# Altium PCB HOUZZkitF1_Tester.PcbDoc (part 2 of 2) (continued)
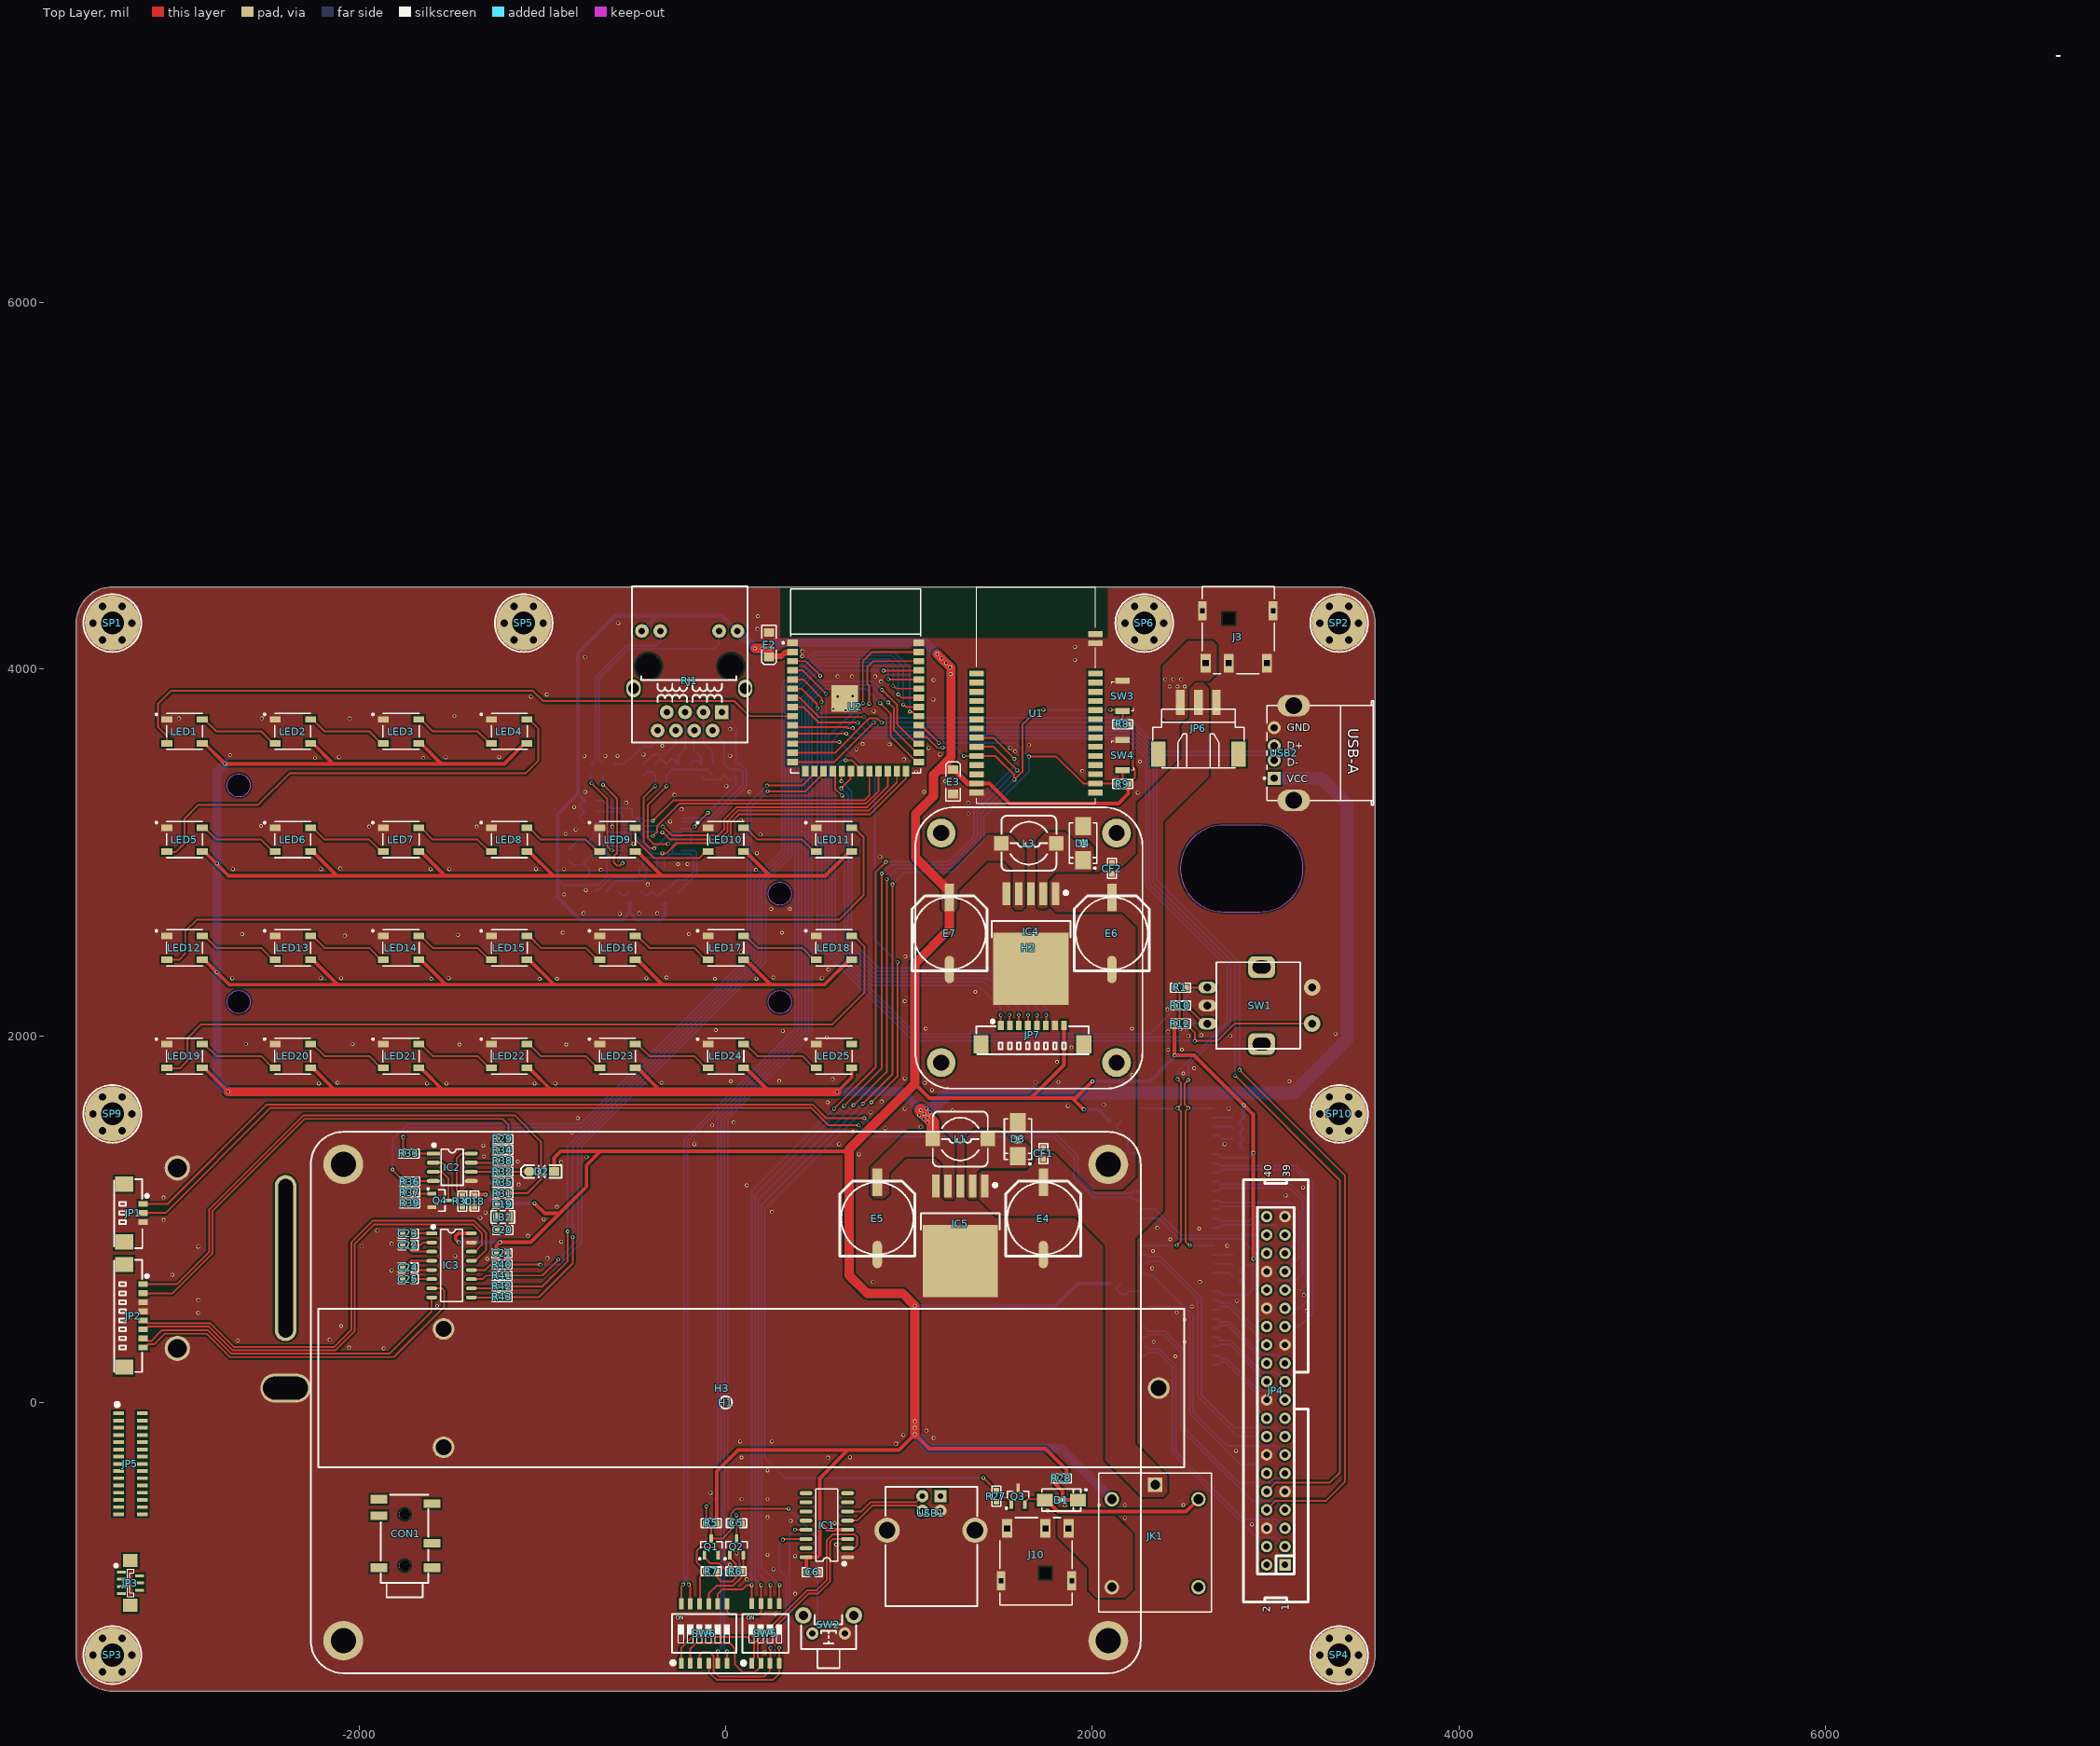
[diagram p0: Top Layer view]
## Nets (pads, with @x,y where several pads share a name; then routed paths per layer and width w, separated by ;. In a path a pad name is that pad's centre, name@x,y a point inside that pad or via, vN(x,y) a via of type N, cw(c..) or ccw(c..) an arc to the next point about the centre after c; other vN are vias at no path point) (continued)
  Top Layer w10: IC2.3@-1595.47,1258.47 -1548.27,1258.47 ; IC2.2@-1595.47,1308.47 -1548.62,1308.47 -1535.43,1295.28 -1535.43,1271.3 -1548.27,1258.47 ; R30.1@-1437.01,1067.83 -1471.53,1102.36 Q4.3@-1514.05,1102.36 -1514.05,1224.25 -1548.27,1258.47
NetIC2_4: IC2.4 R36.1 | length 99.9
  Top Layer w10: R36.1@-1693.82,1204.72 -1690.08,1208.47 IC2.4@-1595.47,1208.47
NetIC2_6: IC2.6 R31.2 R32.1 R35.2 | length 308.2
  Top Layer w10: IC2.6@-1388.78,1258.47 R32.1@-1248.5,1258.47 ; R31.2@-1247.12,1141.73 -1271.65,1166.26 -1271.65,1176.26 R35.2@-1247.12,1200.79 -1264.99,1218.65 -1265.89,1218.65 -1272.96,1225.72 -1272.96,1234 R32.1@-1248.5,1258.47 ; R32.1@-1241.76,1254.48 R32.1@-1247.12,1259.84 R32.1@-1248.5,1258.47
NetIC2_7: IC2.7 R29.2 R34.2 R38.2 | length 289.7
  Top Layer w10: IC2.7@-1388.78,1308.47 -1387.4,1307.09 R38.2@-1258.94,1307.09 ; R38.2@-1247.12,1318.9 -1270.75,1342.52 -1271.65,1342.52 -1271.65,1353.43 R34.2@-1247.12,1377.95 -1271.65,1402.48 -1271.65,1412.48 R29.2@-1247.12,1437.01
NetIC3_9: IC3.9 R43.2 | length 137.4
  Top Layer w10: IC3.9@-1387.72,573.03 -1252.83,573.03 R43.2@-1251.06,574.8
NetIC3_10: IC3.10 R42.2 | length 141.1
  Top Layer w10: IC3.10@-1387.72,623.03 -1261.89,623.03 R42.2@-1251.06,633.86
NetIC3_11: IC3.11 R41.2 | length 144.9
  Top Layer w10: IC3.11@-1387.72,673.03 -1326.97,673.03 -1307.09,692.91 R41.2@-1251.06,692.91
NetIC3_12: IC3.12 R40.2 | length 148.6
  Top Layer w10: IC3.12@-1387.72,723.03 -1312.4,723.03 -1283.47,751.97 R40.2@-1251.06,751.97
NetJ10_1: J10.1 JK1.3
NetLED1_2: LED1.2 LED2.4 | length 451.5
  Top Layer w10: LED1.2@-2856.3,3726.38 -2844.49,3726.38 -2779.53,3661.42 -2535.43,3661.42 -2470.47,3596.46 LED2.4@-2458.66,3596.46
NetLED2_2: LED2.2 LED3.4 | length 451.5
  Top Layer w10: LED2.2@-2265.75,3726.38 -2253.94,3726.38 -2188.98,3661.42 -1944.88,3661.42 -1879.92,3596.46 LED3.4@-1868.11,3596.46
NetLED3_2: LED3.2 LED4.4 | length 451.5
  Top Layer w10: LED3.2@-1675.2,3726.38 -1663.38,3726.38 -1598.42,3661.42 -1354.33,3661.42 -1289.37,3596.46 LED4.4@-1277.56,3596.46
NetLED4_2: LED4.2 LED5.4 | length 2568.9
  Top Layer w10: LED5.4@-3049.21,3005.91 -3047.24,3003.94 -3000,3003.94 -2952.76,3051.18 -2952.76,3185.04 -2877.95,3259.84 -2551.18,3259.84 -2377.95,3433.07 -1090.55,3433.07 -1023.62,3500 -1023.62,3677.17 -1072.83,3726.38 LED4.2@-1084.65,3726.38
NetLED5_2: LED5.2 LED6.4 | length 451.5
  Top Layer w10: LED5.2@-2856.3,3135.83 -2844.49,3135.83 -2779.53,3070.87 -2535.43,3070.87 -2470.47,3005.9 LED6.4@-2458.66,3005.91
NetLED6_2: LED6.2 LED7.4 | length 451.5
  Top Layer w10: LED6.2@-2265.75,3135.83 -2253.94,3135.83 -2188.98,3070.87 -1944.88,3070.87 -1879.92,3005.9 LED7.4@-1868.11,3005.91
NetLED7_2: LED7.2 LED8.4 | length 451.5
  Top Layer w10: LED7.2@-1675.2,3135.83 -1663.38,3135.83 -1598.42,3070.87 -1354.33,3070.87 -1289.37,3005.9 LED8.4@-1277.56,3005.91
NetLED8_2: LED8.2 LED9.4 | length 451.5
  Top Layer w10: LED8.2@-1084.65,3135.83 -1072.83,3135.83 -1007.87,3070.87 -763.78,3070.87 -698.82,3005.9 LED9.4@-687.01,3005.91
NetLED9_2: LED9.2 LED10.4 | length 517.2
  Top Layer w10: LED9.2@-494.09,3135.83 -494.09,3072.83 -392.32,2971.06 -143.11,2971.06 -108.27,3005.91 LED10.4@-96.46,3005.91
NetLED10_2: LED10.2 LED11.4 | length 451.5
  Top Layer w10: LED10.2@96.46,3135.83 108.27,3135.83 173.23,3070.87 417.32,3070.87 482.28,3005.9 LED11.4@494.09,3005.91
NetLED11_2: LED11.2 LED12.4 | length 4420.6
  Top Layer w10: LED12.4@-3049.21,2415.35 -2982.28,2415.35 -2948.82,2448.82 -2948.82,2570.87 -2885.83,2633.86 618.11,2633.86 751.97,2767.72 751.97,3082.68 698.82,3135.83 LED11.2@687.01,3135.83
NetLED12_2: LED12.2 LED13.4 | length 451.5
  Top Layer w10: LED12.2@-2856.3,2545.28 -2844.49,2545.28 -2779.53,2480.32 -2535.43,2480.32 -2470.47,2415.35 LED13.4@-2458.66,2415.35
NetLED13_2: LED13.2 LED14.4 | length 451.5
  Top Layer w10: LED13.2@-2265.75,2545.28 -2253.94,2545.28 -2188.98,2480.32 -1944.88,2480.32 -1879.92,2415.35 LED14.4@-1868.11,2415.35
NetLED14_2: LED14.2 LED15.4 | length 451.5
  Top Layer w10: LED14.2@-1675.2,2545.28 -1663.38,2545.28 -1598.42,2480.32 -1354.33,2480.32 -1289.37,2415.35 LED15.4@-1277.56,2415.35
NetLED15_2: LED15.2 LED16.4 | length 451.5
  Top Layer w10: LED15.2@-1084.65,2545.28 -1072.83,2545.28 -1007.87,2480.32 -763.78,2480.32 -698.82,2415.35 LED16.4@-687.01,2415.35
NetLED16_2: LED16.2 LED17.4 | length 451.5
  Top Layer w10: LED16.2@-494.09,2545.28 -482.28,2545.28 -417.32,2480.32 -173.23,2480.32 -108.27,2415.35 LED17.4@-96.46,2415.35
NetLED17_2: LED17.2 LED18.4 | length 451.5
  Top Layer w10: LED17.2@96.46,2545.28 108.27,2545.28 173.23,2480.32 417.32,2480.32 482.28,2415.35 LED18.4@494.09,2415.35
NetLED18_2: LED18.2 LED19.4 | length 4393.2
  Top Layer w10: LED19.4@-3049.21,1824.8 -3047.24,1822.83 -2980.32,1822.83 -2937.01,1866.14 -2937.01,1988.19 -2862.2,2062.99 582.68,2062.99 755.91,2236.22 755.91,2488.19 698.82,2545.28 LED18.2@687.01,2545.28
NetLED19_2: LED19.2 LED20.4 | length 451.5
  Top Layer w10: LED19.2@-2856.3,1954.72 -2844.49,1954.72 -2779.53,1889.76 -2535.43,1889.76 -2470.47,1824.8 LED20.4@-2458.66,1824.8
NetLED20_2: LED20.2 LED21.4 | length 451.5
  Top Layer w10: LED20.2@-2265.75,1954.72 -2253.94,1954.72 -2188.98,1889.76 -1944.88,1889.76 -1879.92,1824.8 LED21.4@-1868.11,1824.8
NetLED21_2: LED21.2 LED22.4 | length 451.5
  Top Layer w10: LED21.2@-1675.2,1954.72 -1663.38,1954.72 -1598.42,1889.76 -1354.33,1889.76 -1289.37,1824.8 LED22.4@-1277.56,1824.8
NetLED22_2: LED22.2 LED23.4 | length 451.5
  Top Layer w10: LED22.2@-1084.65,1954.72 -1072.83,1954.72 -1007.87,1889.76 -763.78,1889.76 -698.82,1824.8 LED23.4@-687.01,1824.8
NetLED23_2: LED23.2 LED24.4 | length 451.5
  Top Layer w10: LED23.2@-494.09,1954.72 -482.28,1954.72 -417.32,1889.76 -173.23,1889.76 -108.27,1824.8 LED24.4@-96.46,1824.8
NetLED24_2: LED24.2 LED25.4 | length 451.5
  Top Layer w10: LED24.2@96.46,1954.72 108.27,1954.72 173.23,1889.76 417.32,1889.76 482.28,1824.8 LED25.4@494.09,1824.8
NetLED26_1: LED26.1 R14.1 | length 82
  Bottom Layer w10: LED26.1@-589.45,2790.81 -566.35,2767.72 -545.73,2767.72 R14.1@-525.42,2788.03
NetQ1_1: Q1.1 R6.2 | length 185.5
  Top Layer w10: Q1.1@-116.14,-832.4 -116.14,-846.18 -84.37,-877.95 -35.43,-877.95 0.59,-913.98 17.25,-913.98 R6.2@24.53,-921.26
NetQ2_1: Q2.1 R7.2 | length 290.3
  Top Layer w10: R7.2@-48.15,-921.26 -48.15,-951.85 -23.62,-976.38 35.43,-976.38 55.12,-956.69 55.12,-879.65 21.65,-846.18 Q2.1@21.65,-832.4
NetQ3_1: Q3.1 R27.1 | length 113.6
  Top Layer w10: R27.1@1476.38,-542.4 1499.1,-519.68 1533.74,-519.68 1557.09,-543.03 Q3.1@1557.09,-556.81
NetQ4_1: Q4.1 R37.1 R39.2 | length 171.9
  Top Layer w10: R39.2@-1693.82,1086.61 -1718.75,1111.55 -1718.75,1120.74 R37.1@-1693.82,1145.67 -1687.91,1139.76 Q4.1@-1604.05,1139.76
NetR18_2: R18.2 U5.10 | length 342.7
  Bottom Layer w10: R18.2@-255.38,2785.25 -157.48,2883.15 -157.48,2996.06 -172.89,3011.47 U5.10@-242.48,3011.47
NetR22_1: R22.1 RJ1.10 | length 1279.3
  Bottom Layer w10: R22.1@-669.29,3483.35 -692.91,3506.97 -692.91,3948.82 -531.5,4110.24 -66.93,4110.24 -36.02,4141.14 RJ1.10@-36.02,4208.66
NetR25_1: R25.1 RJ1.11 | length 973.8
  Bottom Layer w10: R25.1@-732.28,3483.35 -710.91,3504.72 -710.91,3956.27 -537.27,4129.92 -377.95,4129.92 -357.67,4150.2 RJ1.11@-357.67,4208.66
NetR45_1: R45.1 U6.16 | length 105.5
  Bottom Layer w10: U6.16@2659.45,806.5 2764.09,806.5 R45.1@2764.68,807.09
NetR46_1: R46.1 U6.17 | length 108.7
  Bottom Layer w10: U6.17@2659.45,756.5 2756.22,756.5 R46.1@2764.68,748.03
NetR47_1: R47.1 U6.18 | length 112.5
  Bottom Layer w10: U6.18@2659.45,706.5 2747.16,706.5 R47.1@2764.68,688.98
NetR49_1: R49.1 U7.16 | length 105.5
  Bottom Layer w10: U7.16@2659.45,1554.53 2764.09,1554.53 R49.1@2764.68,1555.12
NetR50_1: R50.1 U7.17 | length 108.7
  Bottom Layer w10: U7.17@2659.45,1504.53 2756.22,1504.53 R50.1@2764.68,1496.06
NetR51_1: R51.1 U7.18 | length 112.5
  Bottom Layer w10: U7.18@2659.45,1454.53 2691.44,1454.53 2708.96,1437.01 R51.1@2764.68,1437.01
RSTN: R17.1 U2.22 U5.37 | length 1754.6
  Top Layer w10: v1(-397.64,3173.23) -284.84,3286.02 758.46,3286.02 783.66,3311.22 U2.22@783.66,3444.88
  Bottom Layer w10: R17.1@-710.34,3284.24 -670.06,3284.24 -626.65,3240.82 U5.37@-511.19,3240.82 -511,3240.63 -511,3199.98 -496.06,3185.04 -452.76,3185.04 -440.94,3173.23 v1(-397.64,3173.23)
RTS: IC1.14 SW5.3 SW6.3 | length 1456.7
  Top Layer w10: SW6.3@-143.11,-1423.23 -143.11,-1379.33 -125.98,-1362.2 -86.61,-1362.2 -67.1,-1381.71 -67.1,-1464.39 -37.12,-1494.38 210.35,-1494.38 241.54,-1463.19 SW5.3@241.54,-1423.23 242.82,-1421.95 242.82,-1339.86 v1(244.09,-1338.58) ; v1(311.02,-748.03) 313.73,-748.03 317.47,-744.29 IC1.14@437.91,-744.29
  Bottom Layer w10: v1(244.09,-1338.58) 244.09,-1279.53 330.71,-1192.91 330.71,-952.76 291.34,-913.39 291.34,-767.72 v1(311.02,-748.03)
RX_DEBUG: JP4.10 U2.8 | length 6850.1
  Top Layer w10: U2.8@364.17,3794.09 422.44,3794.09 507.87,3708.66 v1(720.47,3708.66) ; v1(2779.53,1783.46) 3350.39,1212.6 3350.39,-381.89 3295.28,-437.01 3000,-437.01 JP4.10@2951.18,-485.83
  Bottom Layer w10: v1(720.47,3708.66) 767.72,3661.42 2195.29,3661.42 2332.39,3524.31 2332.39,2836.9 2778.15,2391.14 2778.15,1804.61 2779.53,1803.23 v1(2779.53,1783.46)
RXN: C14.2 R24.2 U5.5 | length 725.6
  Top Layer w10: v1(-389.73,3022.24) -391.14,3023.66 -413.42,3023.66 -448.82,3059.06 -448.82,3299.21 v1(-385.83,3362.2)
  Bottom Layer w10: C14.2@-448.82,3422.17 -430.04,3440.94 -404.61,3440.94 R24.2@-385.83,3422.17 v1(-385.83,3362.2) ; v1(-389.73,3022.24) -388.44,3022.24 -300.78,3109.9 U5.5@-242.48,3109.9
RXP: C13.2 R23.2 U5.6 | length 879.1
  Top Layer w10: v1(-322.83,3362.2) -425.2,3259.84 -425.2,3078.74 -393.7,3047.24 v1@-315.09,3047.24
  Bottom Layer w10: v1(-322.83,3362.2) R23.2@-322.83,3422.17 -292.24,3452.76 -101.46,3452.76 C13.2@-70.87,3422.17 ; v1(-315.06,3047.28) -314.93,3047.28 -288.91,3073.29 -288.91,3077.36 -276.25,3090.02 -242.67,3090.02 U5.6@-242.48,3090.21
SPI_CLK: U2.23 U5.33 | length 1642.5
  Top Layer w10: v1(-397.64,3090.55) -374.02,3114.17 -374.02,3145.67 -251.97,3267.72 765.88,3267.72 833.66,3335.49 U2.23@833.66,3444.88
  Bottom Layer w10: U5.33@-563.37,3129.58 -487.85,3129.58 -448.82,3090.55 v1(-397.64,3090.55)
SPI_CS: R15.1 U2.26 U5.32 | length 2006.6
  Top Layer w10: v1(-346.43,2996.16) -346.33,2996.06 -322.83,2996.06 -267.72,3051.18 -27.56,3051.18 27.56,3106.3 27.56,3165.35 70.87,3208.66 787.4,3208.66 983.66,3404.92 U2.26@983.66,3444.88
  Bottom Layer w10: R15.1@-710.34,3161.75 -685.37,3161.75 -633.52,3109.9 U5.32@-563.37,3109.9 -512.73,3109.9 -398.9,2996.06 -346.52,2996.06 v1(-346.43,2996.16)
SPI_INT: R16.1 U5.36 | length 170.8
  Bottom Layer w10: R16.1@-710.34,3222.99 -640.8,3222.99 -640.63,3222.82 -581.09,3222.82 -563.37,3205.11 U5.36@-563.37,3188.64
SPI_MISO: U2.25 U5.34 | length 1754.3
  Top Layer w10: v1(-346.42,3110.28) -343.71,3110.28 -304.3,3070.87 -35.43,3070.87 9.56,3115.86 9.56,3172.81 65.1,3228.35 779.53,3228.35 933.66,3382.48 U2.25@933.66,3444.88
  Bottom Layer w10: U5.34@-563.37,3149.27 -563.18,3149.08 -517.96,3149.08 -516.47,3147.58 -474.36,3147.58 -442.32,3115.55 -387.28,3115.55 -382.01,3110.28 v1(-346.42,3110.28)
SPI_MOSI: U2.24 U5.35 | length 1704.8
  Top Layer w10: v1(-342.56,3141.77) -295.28,3094.49 -39.37,3094.49 -8.44,3125.42 -8.44,3180.27 59.32,3248.03 771.65,3248.03 883.66,3360.04 U2.24@883.66,3444.88
  Bottom Layer w10: U5.35@-563.37,3168.95 -512.38,3168.95 -510.47,3167.04 -466.25,3167.04 -444.88,3145.67 -372.56,3145.67 -368.66,3141.77 v1(-342.56,3141.77)
TX_DEBUG: JP4.8 U2.7 | length 7004.1
  Top Layer w10: U2.7@364.17,3844.09 403.94,3844.09 508.96,3739.07 v1(753.06,3739.07) ; v1(2803.15,1814.96) 3377.95,1240.16 3377.95,-433.07 3275.59,-535.43 3001.58,-535.43 JP4.8@2951.18,-585.83
  Bottom Layer w10: v1(753.06,3739.07) 775.85,3716.27 775.85,3704.54 799.29,3681.1 2201.06,3681.1 2350.39,3531.77 2350.39,2854.33 2804.53,2400.2 2804.53,1816.34 v1(2803.15,1814.96)
TXN: R20.1 RJ1.2 U5.1 | length 809.5
  Bottom Layer w10: U5.1@-242.48,3188.64 -86.95,3188.64 94.49,3370.08 94.49,3437.01 78.74,3452.76 22.72,3452.76 R20.1@-7.87,3483.35 -7.87,3601.77 RJ1.2@-71.85,3665.75
TXP: R19.1 RJ1.1 U5.2 | length 911
  Bottom Layer w10: U5.2@-242.48,3168.95 -79.08,3168.95 114.17,3362.2 114.17,3448.82 79.65,3483.35 R19.1@55.12,3483.35 55.12,3688.78 RJ1.1@-21.85,3765.75
U6_GP0.0: JP4.28 U6.21 | length 350.7
  Bottom Layer w10: U6.21@2659.45,556.5 2688.46,556.5 2701.65,543.31 2751.97,543.31 2881.1,414.17 JP4.28@2951.18,414.17
U6_GP0.1: JP4.26 U6.22 | length 385.6
  Bottom Layer w10: U6.22@2659.45,506.5 2688.46,506.5 2705.58,523.62 2741.73,523.62 JP4.26@2951.18,314.17
U6_GP0.2: JP4.23 U6.23 | length 492.5
  Bottom Layer w10: U6.23@2659.45,456.5 2686.81,456.5 2695.79,447.52 2695.79,446.8 2701.65,440.94 2744.09,440.94 2924.6,260.44 3004.91,260.44 JP4.23@3051.18,214.17
U6_GP0.3: JP4.24 U6.24 | length 383.6
  Bottom Layer w10: U6.24@2659.45,406.5 2686.88,406.5 2701.65,421.26 2738.32,421.26 2945.41,214.17 JP4.24@2951.18,214.17
U6_GP0.4: JP4.21 U6.25 | length 494.7
  Bottom Layer w10: U6.25@2659.45,356.5 2686.81,356.5 2692.19,351.11 2692.19,346.68 2700.29,338.58 2751.97,338.58 2925.2,165.35 3000,165.35 JP4.21@3051.18,114.17
U6_GP0.5: JP4.22 U6.26 | length 381.7
  Bottom Layer w10: U6.26@2659.45,306.5 2689.65,306.5 2702.06,318.9 2746.2,318.9 2917.74,147.35 2918,147.35 JP4.22@2951.18,114.17
U6_GP0.6: JP4.19 U6.27 | length 492.1
  Bottom Layer w10: U6.27@2659.45,256.5 2686.81,256.5 2703.15,240.16 2732.28,240.16 2909.45,62.99 3002.36,62.99 JP4.19@3051.18,14.17
U6_GP0.7: JP4.18 U6.28 | length 472.2
  Bottom Layer w10: U6.28@2659.45,206.5 2687.67,206.5 2701.65,220.47 2726.51,220.47 2897.64,49.35 2897.64,-32.28 JP4.18@2951.18,-85.83
U6_GP1.0: JP4.3 U6.2 | length 1508.3
  Bottom Layer w10: U6.2@2261.81,256.5 2289.17,256.5 2298.15,265.48 2298.15,265.8 2304.01,271.65 2358.27,271.65 2437.01,192.91 2437.01,-275.59 2897.64,-736.22 3001.57,-736.22 JP4.3@3051.18,-785.83
U6_GP1.1: JP4.5 U6.3 | length 1475
  Bottom Layer w10: U6.3@2261.81,306.5 2289.17,306.5 2298.15,297.52 2298.15,297.2 2304.01,291.34 2364.04,291.34 2455.01,200.37 2455.01,-268.14 2824.67,-637.8 3003.15,-637.8 JP4.5@3051.18,-685.83
U6_GP1.2: JP4.7 U6.4 | length 1438.9
  Bottom Layer w10: U6.4@2261.81,356.5 2290.42,356.5 2304.01,370.08 2387.93,370.08 2484.25,273.76 2484.25,-149.61 2870.08,-535.43 3000.79,-535.43 JP4.7@3051.18,-585.83
U6_GP1.3: JP4.11 U6.5 | length 1408
  Bottom Layer w10: U6.5@2261.81,406.5 2289.17,406.5 2305.9,389.76 2393.7,389.76 2503.94,279.53 2503.94,-143.84 2797.11,-437.01 3000,-437.01 JP4.11@3051.18,-385.83
U6_GP1.4: JP4.12 U6.7 | length 1381.1
  Bottom Layer w10: U6.7@2261.81,506.5 2289.17,506.5 2306.3,523.62 2474.54,523.62 2531.5,466.67 2531.5,-59.06 2811.02,-338.58 2903.94,-338.58 JP4.12@2951.18,-385.83
U6_GP1.5: JP4.13 U6.11 | length 1508.4
  Bottom Layer w10: U6.11@2261.81,706.5 2290.42,706.5 2304.01,692.91 2330.71,692.91 2549.5,474.13 2549.5,-51.6 2734.12,-236.22 3001.58,-236.22 JP4.13@3051.18,-285.83
U6_GP1.6: JP4.16 U6.12 | length 1403.8
  Bottom Layer w10: U6.12@2261.81,756.5 2289.17,756.5 2298.15,765.48 2298.15,765.8 2304.01,771.65 2370.08,771.65 2574.8,566.93 2574.8,35.43 2796.06,-185.83 JP4.16@2951.18,-185.83
U6_GP1.7: JP4.15 U6.13 | length 1511.7
  Bottom Layer w10: U6.13@2261.81,806.5 2292.79,806.5 2304.01,795.28 2371.91,795.28 2594.49,572.7 2594.49,41.2 2773.49,-137.8 3003.15,-137.8 JP4.15@3051.18,-185.83
U7_GP0.0: JP4.27 U7.21 | length 1477.2
  Bottom Layer w10: U7.21@2659.45,1304.53 2688.46,1304.53 2701.65,1291.34 3110.24,1291.34 3200.79,1200.79 3200.79,488.19 3126.77,414.17 JP4.27@3051.18,414.17
U7_GP0.1: JP4.29 U7.22 | length 1344.1
  Bottom Layer w10: U7.22@2659.45,1254.53 2688.46,1254.53 2705.58,1271.65 3104.47,1271.65 3182.79,1193.33 3182.79,564.68 3132.28,514.17 JP4.29@3051.18,514.17
U7_GP0.2: JP4.31 U7.23 | length 1136.7
  Bottom Layer w10: U7.23@2659.45,1204.53 2686.81,1204.53 2695.79,1195.55 2695.79,1194.83 2701.65,1188.98 3082.68,1188.98 3164.79,1106.87 3164.79,641.17 3137.8,614.17 JP4.31@3051.18,614.17
U7_GP0.3: JP4.32 U7.24 | length 1150.7
  Bottom Layer w10: U7.24@2659.45,1154.53 2686.88,1154.53 2702.99,1170.63 3075.56,1170.63 3146.79,1099.41 3146.79,705.84 3106.3,665.35 3002.36,665.35 JP4.32@2951.18,614.17
U7_GP0.4: JP4.33 U7.25 | length 856.6
  Bottom Layer w10: U7.25@2659.45,1104.53 2687.67,1104.53 2701.65,1090.55 3082.68,1090.55 3128.79,1044.44 3128.79,791.78 JP4.33@3051.18,714.17
U7_GP0.5: JP4.35 U7.26 | length 719.6
  Bottom Layer w10: U7.26@2659.45,1054.53 2689.24,1054.53 2705.58,1070.87 3076.91,1070.87 3110.79,1036.99 3110.79,873.78 JP4.35@3051.18,814.17
U7_GP0.6: JP4.40 U7.27 | length 310.6
  Bottom Layer w10: U7.27@2659.45,1004.53 2689.24,1004.53 2705.58,988.19 2854.33,988.19 2881.89,1015.75 2949.61,1015.75 JP4.40@2951.18,1014.17
U7_GP0.7: JP4.37 U7.28 | length 420
  Bottom Layer w10: U7.28@2659.45,954.53 2693.11,954.53 2707.09,968.5 2996.85,968.5 JP4.37@3051.18,914.17
U7_GP1.0: JP4.36 U7.2 | length 770.8
  Bottom Layer w10: U7.2@2261.81,1004.53 2361.61,1004.53 2472.44,893.7 2811.02,893.7 2893.7,811.02 2948.03,811.02 JP4.36@2951.18,814.17
U7_GP1.1: JP4.38 U7.3 | length 747.5
  Bottom Layer w10: U7.3@2261.81,1054.53 2343.11,1054.53 2483.47,914.17 JP4.38@2951.18,914.17
U7_GP1.2: JP1.2 U7.4 | length 5951.4
  Top Layer w10: JP1.2@-3178.72,1033.89 -3056.66,1033.89 -2482.57,1607.98 464.99,1607.98 561.16,1511.81 v1(724.41,1511.81)
  Bottom Layer w10: v1(724.41,1511.81) 787.4,1448.82 1787.4,1448.82 1901.57,1334.65 1901.57,1224.41 2007.87,1118.11 2219.61,1118.11 2233.2,1104.53 U7.4@2261.81,1104.53
U7_GP1.3: JP1.1 U7.5 | length 5935.9
  Top Layer w10: JP1.1@-3178.72,1083.1 -3046.82,1083.1 -2503.94,1625.98 472.44,1625.98 547.24,1551.18 v1(755.91,1551.18)
  Bottom Layer w10: v1(755.91,1551.18) 838.58,1468.5 1799.21,1468.5 1921.26,1346.46 1921.26,1236.22 2015.75,1141.73 2215.68,1141.73 2228.47,1154.53 U7.5@2261.81,1154.53
U7_GP1.4: U7.7
U7_GP1.5: U7.11
U7_GP1.6: U7.12
U7_GP1.7: U7.13
UART_RX: IC1.3 SW5.2 SW6.2 | length 1590.8
  Top Layer w10: SW6.2@-193.11,-1423.23 -193.11,-1342.72 -161.42,-1311.02 19.69,-1311.02 51.18,-1342.52 51.18,-1429.13 94.49,-1472.44 159.06,-1472.44 191.54,-1439.96 191.54,-1406.5 175.91,-1390.87 175.91,-1318.05 450.65,-1043.31 501.83,-1043.31 569.18,-975.96 569.18,-759.42 584.31,-744.29 IC1.3@664.45,-744.29
UART_TX: IC1.2 SW5.1 SW6.1 | length 1680.7
  Top Layer w10: SW6.1@-243.11,-1423.23 -243.11,-1337.6 -185.04,-1279.53 118.11,-1279.53 153.54,-1314.96 ; SW5.1@141.54,-1423.23 141.54,-1406.5 153.54,-1394.49 153.54,-1314.96 ; IC1.2@664.45,-794.29 666.35,-792.39 703.67,-792.39 716.54,-779.53 716.54,-732.28 704.72,-720.47 582.68,-720.47 551.18,-751.97 551.18,-968.5 496.06,-1023.62 444.88,-1023.62 153.54,-1314.96
USB_DN: U2.13 USB2.2 | length 2801.6
  Top Layer w10: U2.13@364.17,3544.09 595.08,3544.09 784.65,3733.66 825.39,3733.66 v1(850.39,3708.66)
  Bottom Layer w10: v1(850.39,3708.66) 2198.95,3708.66 2376.12,3531.5 2956.65,3531.5 2984.2,3503.94 USB2.2@2992.13,3503.94
USB_DP: U2.14 USB2.3 | length 2819.3
  Top Layer w10: U2.14@364.17,3494.09 592.52,3494.09 v1(807.09,3708.66)
  Bottom Layer w10: v1(807.09,3708.66) 834.65,3736.22 2196.85,3736.22 2383.57,3549.5 2953.98,3549.5 2987.17,3582.68 USB2.3@2992.13,3582.68
pads on no net: CON1.0 CON1.1 CON1.2 CON1.3 CON1.4 CON1.5 CON1.6 H2.1 H2.2 H2.3 H2.4 H4.12 IC1.7 IC1.8 IC1.9 IC1.10 IC1.11 IC1.12 IC1.15 J3.MH J10.MH JK1.4 JP1.0 JP2.0 JP3.1 JP3.2 JP3.3 JP3.4 JP3.5 JP3.6 JP3.7 JP3.8 JP3.9 JP4.1 JP4.2 JP4.4 JP4.17 JP5.1 JP5.2 JP5.3 JP5.4 JP5.5 JP5.6 JP5.7 JP5.8 JP5.9 JP5.10 JP5.11 JP5.12 JP5.13 JP5.14 JP5.15 JP6.0 JP7.0 LED25.2 RJ1.0 RJ1.7 SW1.0 SW2.0 U1.1 U1.2 U1.3 U1.4 U1.5 U1.6 U1.7 U1.11 U1.12 U1.15 U1.17 U1.18 U1.19 U1.20 U1.21 U1.22 U1.23 U1.24 U1.25 U1.26 U1.27 U1.28 U1.30 U2.15 U5.7 U5.12 U5.13 U5.18 U5.23 U5.24 U5.26 U5.38 U5.39 U5.40 U5.41 U5.42 U5.43 U5.44 U5.45 U5.46 U5.47 U6.6 U7.6 USB1.1

## Polygon pours and split planes (outlines as drawn)
GND on Top Layer "GND_L01_P023" (solid, remove dead copper, pour order 23): -3543.31,-1377.95 -3543.31,4251.97 cw(c-3346.46,4251.97) -3346.46,4448.82 3346.46,4448.82 cw(c3346.46,4251.97) 3543.31,4251.97 3543.31,-1377.95 cw(c3346.46,-1377.95) 3346.46,-1574.8 -3346.46,-1574.8 cw(c-3346.46,-1377.95)
DC_IN on Top Layer "DC_IN_L01_P000" (solid, pour order 0): 2677.17,4133.86 2677.17,3976.38 2637.8,3937.01 2559.06,3937.01 2519.69,3897.64 2519.69,3740.16 2500,3720.47 2401.57,3720.47 2381.89,3740.16 2381.89,4015.75 2519.69,4153.54 2657.48,4153.54
NetJ10_1 on Top Layer "NETJ10_1_L01_P003" (solid, pour order 3): 1834.65,-618.11 2122.05,-618.11 2220.47,-716.54 2220.47,-1019.69 2177.17,-1062.99 2019.68,-1062.99 1980.31,-1023.62 1980.31,-901.57 1811.02,-732.28 1811.02,-641.73
+12 on Top Layer "+12_L01_P014" (solid, pour order 14): 2385.83,1047.24 2232.28,893.7 2232.28,-224.41 2409.45,-401.57 2409.45,-492.13 2385.83,-515.75 2271.65,-515.75 2070.87,-314.96 2070.87,858.27 1909.45,1019.68 1472.44,1019.69 1381.89,1110.24 1381.89,1248.03 1397.64,1263.78 1641.73,1263.78 1688.98,1311.02 1688.98,1334.65 1712.6,1358.27 1791.34,1358.27 2000,1149.61 2169.29,1149.61 2248.03,1228.35 2248.03,2594.49 2165.35,2677.17 1803.15,2677.17 1767.72,2712.6 1767.72,2842.52 1807.09,2881.89 2039.37,2881.89 2070.87,2913.39 2169.29,2913.39 2248.03,2992.13 2248.03,3271.65 2488.19,3511.81 2488.19,3692.91 2527.56,3732.28 2527.56,3893.7 2562.99,3929.13 2602.36,3929.13 2633.86,3897.64 2633.86,3417.32 2385.83,3169.29
NetD4_2 on Top Layer "NETD4_2_L01_P019" (solid, remove dead copper, pour order 19): 2007.87,3027.56 1968.5,3066.93 1893.7,3066.93 1850.39,3110.24 1748.03,3110.24 1700.79,3062.99 1700.79,2704.72 1708.66,2696.85 1748.03,2696.85 1755.91,2704.72 1755.91,2850.39 1799.21,2893.7 1992.13,2893.7 2007.87,2909.45
+3.3 on Top Layer "+3.3_L01_P020" (solid, remove dead copper, pour order 20): 1425.2,2956.69 1263.78,2795.28 1263.78,2696.85 1244.09,2677.17 1192.91,2677.17 1177.16,2692.91 1177.17,2842.52 1429.13,3094.49 1551.18,3094.49 1629.92,3015.75 1629.92,2704.72 1614.17,2688.98 1582.68,2688.98 1566.93,2704.72 1566.93,2909.45 1519.68,2956.69
NetD3_2 on Top Layer "NETD3_2_L01_P021" (solid, pour order 21): 1657.48,1397.64 1657.48,1295.28 1641.73,1279.53 1389.76,1279.53 1370.08,1259.84 1370.08,1118.11 1362.2,1110.24 1326.77,1110.24 1314.96,1122.05 1314.96,1444.88 1358.27,1488.19 1496.06,1488.19 1562.99,1421.26 1633.86,1421.26
+5 on Top Layer "+5_L01_P022" (solid, remove dead copper, pour order 22): 1240.16,1110.24 1248.03,1118.11 1248.03,1409.45 1177.17,1480.31 992.13,1480.31 791.34,1279.53 791.34,1133.86 811.02,1114.17 866.14,1114.17 889.76,1137.79 889.76,1251.97 980.31,1342.52 1145.67,1342.52 1185.04,1303.15 1185.04,1122.05 1196.85,1110.24
GND on Bottom Layer "GND_L02_P016" (solid, remove dead copper, pour order 16): -3543.31,-1377.95 -3543.31,4251.97 cw(c-3346.46,4251.97) -3346.46,4448.82 3346.46,4448.82 cw(c3346.46,4251.97) 3543.31,4251.97 3543.31,-1377.95 cw(c3346.46,-1377.95) 3346.46,-1574.8 -3346.46,-1574.8 cw(c-3346.46,-1377.95)
DC_IN on Bottom Layer "DC_IN_L02_P001" (solid, pour order 1): 2677.17,4133.86 2677.17,3976.38 2637.8,3937.01 2559.06,3937.01 2519.69,3897.64 2519.69,3740.16 2500,3720.47 2401.57,3720.47 2381.89,3740.16 2381.89,4015.75 2519.69,4153.54 2657.48,4153.54
NetJ10_1 on Bottom Layer "NETJ10_1_L02_P005" (solid, pour order 5): 1834.65,-618.11 2122.05,-618.11 2220.47,-716.54 2220.47,-1019.69 2177.17,-1062.99 2019.68,-1062.99 1980.31,-1023.62 1980.31,-901.57 1811.02,-732.28 1811.02,-641.73

## Other copper
Top Layer:
  pour cut-out: 295.28,4169.29 2086.61,4169.29 2086.61,4448.82 295.28,4448.82
Bottom Layer:
  pour cut-out: 295.28,4169.29 2086.61,4169.29 2086.61,4448.82 295.28,4448.82

## Silkscreen, mask and mechanical layers (free items; w line width, h text height)
Top Overlay:
  circle w10: c0,0 r33.87
  lines w10: 7259.84,7346.46 7279.53,7346.46
Mechanical 1:
  circle w10: c295.28,2775.59 r62.99
  circle w10: c-2657.48,3366.14 r62.99
  circle w10: c-2657.48,2185.04 r62.99
  circle w10: c295.28,2185.04 r62.99
  lines w10: 3716.53,5968.5 3716.53,11598.42 ; 3913.39,5771.65 10606.3,5771.65 ; 3913.39,11795.27 10606.3,11795.27 ; 10803.15,5968.5 10803.15,11598.42 ; -3543.31,-1377.95 ccw(c-3346.46,-1377.95) -3346.46,-1574.8 3346.46,-1574.8 ccw(c3346.46,-1377.95) 3543.31,-1377.95 3543.31,4251.97 ccw(c3346.46,4251.97) 3346.46,4448.82 -3346.46,4448.82 ccw(c-3346.46,4251.97) -3543.31,4251.97 -3543.31,-1377.95 ; 2716.54,2677.17 cw(c2716.54,2913.39) 2716.54,3149.61 2913.39,3149.61 cw(c2913.39,2913.39) 2913.39,2677.17 2716.54,2677.17

## Text inside footprints (layer, text, board x,y; h text height)
JP4: Top Overlay "39" at 3079.18,1226.17 h40 r90; Top Overlay "40" at 2979.18,1226.17 h40 r90; Top Overlay "1" at 3071.18,-1135.83 h40 r90; Top Overlay "2" at 2971.18,-1145.83 h40 r90
SW5: Top Overlay "ON" at 111.54,-1193.07 h39.37
SW6: Top Overlay "ON" at -273.11,-1194.84 h39.37
USB2: Top Overlay "USB-A" at 3394.09,3678.35 h60 r270; Top Overlay "VCC" at 3062.13,3383.31 h40; Top Overlay "D-" at 3062.13,3473.31 h40; Top Overlay "D+" at 3062.13,3563.31 h40; Top Overlay "GND" at 3062.13,3663.31 h40